# Altium PCB sinking-clock_LED-PCB.PcbDoc (part 1 of 2) (continued)
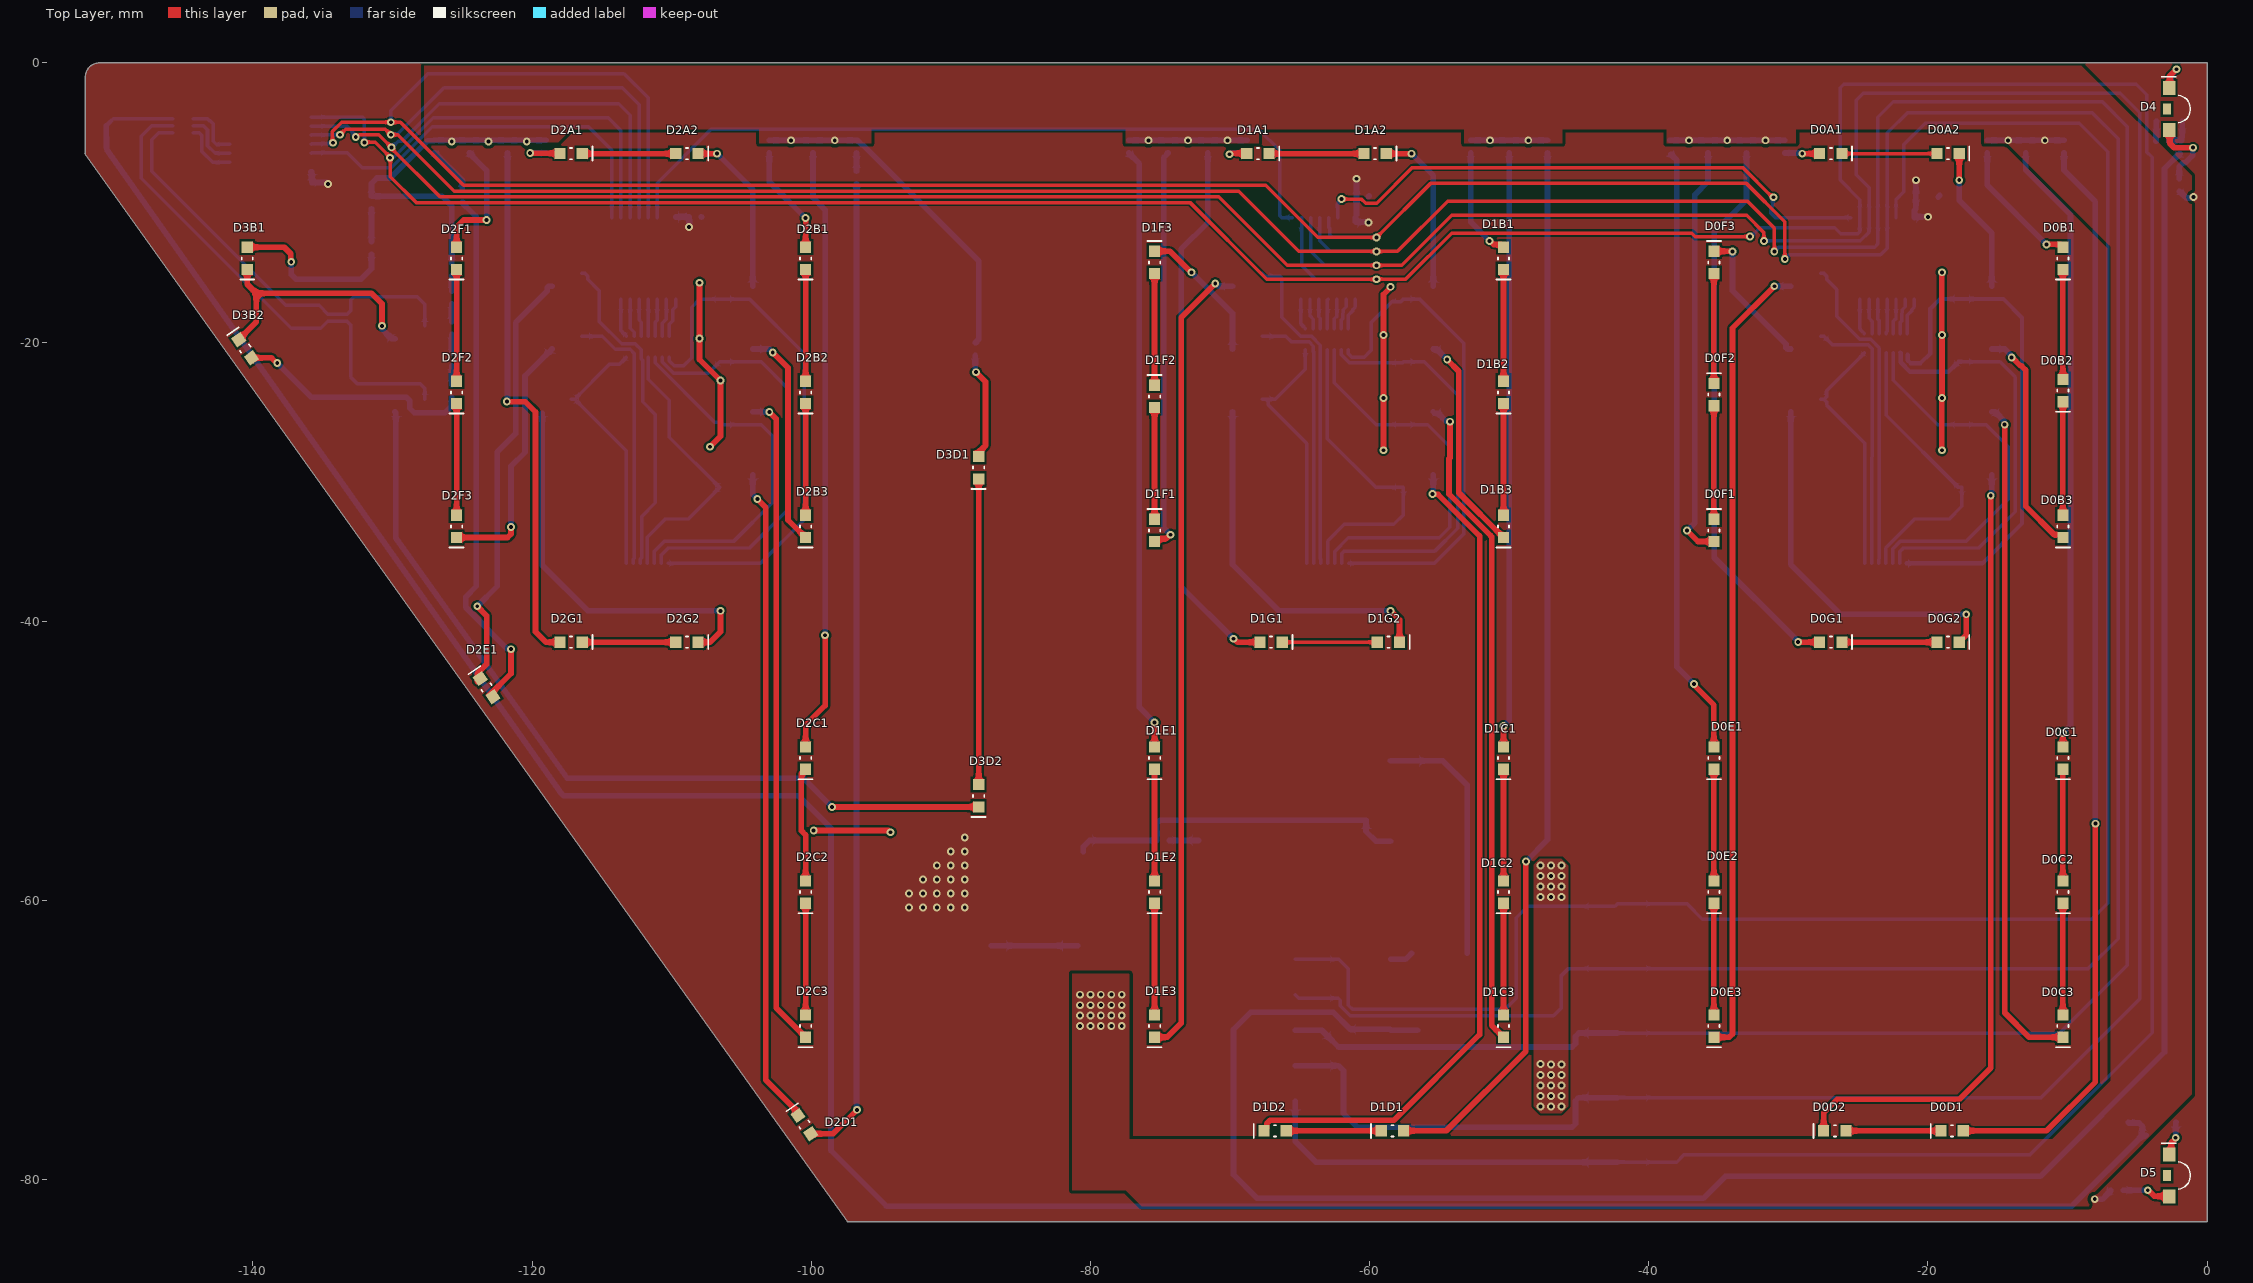
[diagram p0: Top Layer view]
## Components (designator, comment, footprint, x,y, rotation, side; value= is the part's Value field where it differs from the comment) (continued)
D2D1 "LED - single" "LED - 0603" -100.487,-76.06 r125 top
D2E1 "LED - single" "LED - 0603" -123.25,-44.75 r125 top
D2F1 "LED - single" "LED - 0603" -125.4,-14 r270 top
D2F2 "LED - single" "LED - 0603" -125.4,-23.6 r270 top
D2F3 "LED - single" "LED - 0603" -125.4,-33.2 r270 top
D2G1 "LED - single" "LED - 0603" -117.2,-41.5 r0 top
D2G2 "LED - single" "LED - 0603" -108.9,-41.5 r0 top
D3B1 "LED - single" "LED - 0603" -140.4,-14 r270 top
D3B2 "LED - single" "LED - 0603" -140.55,-20.475 r125 top
D3D1 "LED - single" "LED - 0603" -88,-29 r270 top locked
D3D2 "LED - single" "LED - 0603" -88,-52.5 r270 top locked
D4 "LED - single" "LED - 1204 RA" -2.2,-3.3 r270 top
D5 "LED - single" "LED - 1204 RA" -2.2,-79.7 r270 top
D6 "LED - single" "LED - 0603" -71.5,-55.7 r0 bottom
J1 "5x2, 0.1' pitch SMT header" "5x2, 0.1' pitch SMT header" -61.9,-69.3 r270 bottom
Q0A1 "NMOS" SOT-23 -16.5,-16 r0 bottom
Q0B1 "NMOS" SOT-23 -16.5,-20.5 r0 bottom
Q0C1 "NMOS" SOT-23 -16.5,-25 r0 bottom
Q0D1 "NMOS" SOT-23 -16.5,-29.5 r0 bottom
Q0E1 "NMOS" SOT-23 -28.75,-16 r180 bottom
Q0F1 "NMOS" SOT-23 -28.75,-20.5 r180 bottom
Q0G1 "NMOS" SOT-23 -28.75,-25 r180 bottom
Q1A1 "NMOS" SOT-23 -56.5,-16 r0 bottom
Q1B1 "NMOS" SOT-23 -56.5,-20.5 r0 bottom
Q1C1 "NMOS" SOT-23 -56.5,-25 r0 bottom
Q1D1 "NMOS" SOT-23 -56.5,-29.5 r0 bottom
Q1E1 "NMOS" SOT-23 -68.75,-16 r180 bottom
Q1F1 "NMOS" SOT-23 -68.75,-20.5 r180 bottom
Q1G1 "NMOS" SOT-23 -68.75,-25 r180 bottom
Q2A1 "NMOS" SOT-23 -105.25,-16 r0 bottom
Q2B1 "NMOS" SOT-23 -105.25,-20.5 r0 bottom
Q2C1 "NMOS" SOT-23 -105.25,-25 r0 bottom
Q2D1 "NMOS" SOT-23 -105.25,-29.5 r0 bottom
Q2E1 "NMOS" SOT-23 -117.5,-16 r180 bottom
Q2F1 "NMOS" SOT-23 -117.5,-20.5 r180 bottom
Q2G1 "NMOS" SOT-23 -118.25,-25 r180 bottom
Q3B1 "NMOS" SOT-23 -128.75,-19.75 r180 bottom
Q3D1 "NMOS" SOT-23 -128.75,-25 r180 bottom
Q4 "NMOS" SOT-23 -2.7,-3.1 r90 bottom
Q5 "NMOS" SOT-23 -3.3,-75.9 r0 bottom
R0A2 "RES" "0402 RES" -30.25,-6 r90 bottom value=330
R0B2 "RES" "0402 RES" -15.75,-6 r90 bottom value=240
R0C2 "RES" "0402 RES" -13,-6 r90 bottom value=240
R0D2 "RES" "0402 RES" -10.25,-6 r90 bottom value=330
R0E2 "RES" "0402 RES" -38.5,-6 r90 bottom value=240
R0F2 "RES" "0402 RES" -35.75,-6 r90 bottom value=240
R0G2 "RES" "0402 RES" -33,-6 r90 bottom value=330
R1A2 "RES" "0402 RES" -68.75,-6 r90 bottom value=330
R1B2 "RES" "0402 RES" -52.75,-6 r90 bottom value=240
R1C2 "RES" "0402 RES" -50,-6 r90 bottom value=240
R1D2 "RES" "0402 RES" -47.25,-6 r90 bottom value=330
R1E2 "RES" "0402 RES" -77.25,-6 r90 bottom value=240
R1F2 "RES" "0402 RES" -74.417,-6 r90 bottom value=240
R1G2 "RES" "0402 RES" -71.583,-6 r90 bottom value=330
R2A2 "RES" "0402 RES" -119,-6 r90 bottom value=330
R2B2 "RES" "0402 RES" -103,-6 r90 bottom value=240
R2C2 "RES" "0402 RES" -99.875,-6 r90 bottom value=240
R2D1 "RES" "0402 RES" -96.75,-6 r90 bottom value=330
R2D2 "RES" "0402 RES" -96.75,-8.205 r90 bottom value=56
R2E1 "RES" "0402 RES" -127,-6 r90 bottom value=330
R2E2 "RES" "0402 RES" -125,-9.545 r90 bottom value=56
R2F2 "RES" "0402 RES" -124.5,-6 r90 bottom value=240
R2G2 "RES" "0402 RES" -121.75,-6 r90 bottom value=330
R3_EX1 "RES" 0402R -125.75,-14.798 r90 bottom value=330
R3_EX2 "RES" 0402R -125.75,-16.81 r90 bottom value=330
R3_EX3 "RES" 0402R -125.75,-19 r90 bottom value=330
R3_EX4 "RES" 0402R -125.75,-21.25 r90 bottom value=330
R3_EX5 "RES" 0402R -125.75,-23.5 r90 bottom value=330
R3B1 "RES" "0402 RES" -131.5,-10 r90 bottom value=330
R3B2 "RES" "0402 RES" -131.5,-13.25 r90 bottom value=56
R3D2 "RES" "0402 RES" -88.253,-20.5 r90 bottom value=330
R6 "RES" "0402 RES" -2,-8.75 r90 bottom value=56
R7 "RES" "0402 RES" -6.455,-80.76 r0 bottom value=56
R8 "RES" 0402R -74.795,-55.7 r180 bottom value=10k
R9 "RES" 0402R -1.929,-6.054 r90 bottom value=330
R10 "RES" 0402R -3.2,-5.6 r0 bottom value=10k
R12 "RES" 0402R -5.636,-75.445 r270 bottom value=10k
RN0A "8 res Array" EXB2HV331JV -22.727,-20.01 r180 bottom value=330
RN0B "8.2k - all" MNR18ERAPJ822 -23.281,-36.75 r90 bottom
RN1A "8 res Array" EXB2HV331JV -62.77,-19.802 r180 bottom value=330
RN1B "8.2k - all" MNR18ERAPJ822 -63.25,-36.75 r90 bottom
RN2A "8 res Array" EXB2HV331JV -111.42,-20.335 r180 bottom value=330
RN2B "8.2k - all" MNR18ERAPJ822 -112,-36.75 r90 bottom
RN3A "8 res Array" EXB2HV331JV -145,-4.25 r90 bottom value=330
RN3B "8.2k - all" MNR18ERAPJ822 -133,-19.25 r180 bottom
TP1 "RCWCTE" RCWCTE -58.5,-50 r180 bottom
TP2 "RCWCTE" RCWCTE -58.5,-55.75 r180 bottom
TP3 "RCWCTE" RCWCTE -42.25,-60.25 r180 bottom
TP4 "RCWCTE" RCWCTE -42.25,-64.875 r180 bottom
TP5 "RCWCTE" RCWCTE -42.25,-69.5 r180 bottom
TP6 "RCWCTE" RCWCTE -42.25,-74.125 r180 bottom
TP7 "RCWCTE" RCWCTE -42.25,-78.75 r180 bottom
TP8 "RCWCTE" RCWCTE -58.5,-44.5 r180 bottom
TP9 "RCWCTE" RCWCTE -42.25,-55.25 r180 bottom
U0 "74HC595PW,118" 16-TSSOP -23.25,-14 r90 bottom
U1 "74HC595PW,118" 16-TSSOP -63.3,-14 r90 bottom
U2 "74HC595PW,118" 16-TSSOP -112,-14 r90 bottom
U3 "74HC595PW,118" 16-TSSOP -138.75,-5.5 r0 bottom
U4 "AZ1117IH-3.3TRG1" SOT-223-3 -84,-63.25 r180 bottom

## Footprints (in the part's own frame and the unit in brackets; to place one, negate y for a bottom-side part, rotate by r counter-clockwise, add the part's x,y. Pads: shape width x height; smd on the part's side, far side on the other; paste and mask are expansions set on the pad)
"5x2, 0.1' pitch SMT header" [mil] "CONN HEADER SMD 10POS 2.54MM"
  rect 50x200 smd: 1(-200,-135) 2(-200,135) 3(-100,-135) 4(-100,135) 5(0,-135) 6(0,135) 7(100,-135) 8(100,135) 9(200,-135) 10(200,135)
  silkscreen extent -398,-280 390,178, body extent -396,-165 394,180, height 496
16-TSSOP [mil]
  rect 58x14 smd: 1(-115,90) 2(-115,64) 3(-115,38) 4(-115,13) 5(-115,-13) 6(-115,-38) 7(-115,-64) 8(-115,-90) 9(115,-90) 10(115,-64) 11(115,-38) 12(115,-13) 13(115,13) 14(115,38) 15(115,64) 16(115,90)
  silkscreen extent -74,-100 74,100, body extent -126,-98 126,98, height 43
"0402 CAP" [mm] "0402 SMT Capacitor"
  rrect53% 0.54x0.6 smd: 1(-0.43,0) 2(0.43,0)
  silkscreen extent -0.5,-0.48 0.5,0.48, body extent -0.5,-0.25 0.5,0.25, height 0.5
"0402 RES" [mm] "0402 SMT Resistor"
  rrect20% 0.49x0.6 smd: 1(-0.455,0) 2(0.455,0)
  body extent -0.75,-0.25 0.75,0.25, height 0.35
0402R [mm] "0402 SMT Resistor"
  rrect20% 0.49x0.6 smd: 1(-0.455,0) 2(0.455,0)
  body extent -0.75,-0.25 0.75,0.25, height 0.35
CAP_CAN_POLY [mil]
  rect 122x52 smd paste+0 mask+4: 1(-89,0) 2(89,0)
  silkscreen extent -114,-114 114,114, body extent -122,-109 122,109, height 219
DO-214AC [mil]
  rect 74x66 smd paste+0 mask+0: A(87,0) K(-87,0)
  silkscreen extent -135,-63 98,63, body extent -102,-51 102,51, height 96
EXB2HV331JV [mm] "330 Res Array"
  rect 0.425x0.5 smd mask+0.102: 1(-1.837,-0.75) 8(1.837,-0.75) 9(1.837,0.75) 16(-1.837,0.75)
  rect 0.25x0.5 smd mask+0.102: 2(-1.25,-0.75) 3(-0.75,-0.75) 4(-0.25,-0.75) 5(0.25,-0.75) 6(0.75,-0.75) 7(1.25,-0.75) 10(1.25,0.75) 11(0.75,0.75) 12(0.25,0.75) 13(-0.25,0.75) 14(-0.75,0.75) 15(-1.25,0.75)
  silkscreen extent -1.92,-1.25 1.9,0.3, body extent -2.01,-0.97 2.01,0.98, height 0.65
"LED - 0603" [mm]
  rect 0.8x0.8 smd: 1(-0.8,0) 2(0.8,0)
  silkscreen extent -0.08,-0.51 1.52,0.51, body extent -0.8,-0.35 0.8,0.35, height 0.7
"LED - 1204 RA" [mm] "SMD Mono-color Side view Waterclear, body 3.2x1.5mm"
  rect 1x0.9 smd: 1(1.5,-0.52) 2(-1.5,-0.52)
  rect 0.8x0.6 smd: M1(0,-0.67)
  silkscreen extent -2.3,-1.1 0.99,1, body extent -1.6,-0.77 1.6,0.71, height 1
MNR18ERAPJ822 [mm] "Chip Array, Concave, 16-Leads, Pitch 0.50mm,  Body 4.00x1.60mm,  IPC Medium Density"
  rect 0.85x0.25 smd mask+0.06: 1(-0.9,1.75) 2(-0.9,1.25) 3(-0.9,0.75) 4(-0.9,0.25) 5(-0.9,-0.25) 6(-0.9,-0.75) 7(-0.9,-1.25) 8(-0.9,-1.75) 9(0.9,-1.75) 10(0.9,-1.25) 11(0.9,-0.75) 12(0.9,-0.25) 13(0.9,0.25) 14(0.9,0.75) 15(0.9,1.25) 16(0.9,1.75)
  silkscreen extent -1.83,2.24 -1.73,2.34, body extent -0.85,-2 0.85,2, height 0.6
RCWCTE [mm]
  rect 4.2x1.8 smd: 1(0,0)
  body extent -1.6,-0.8 1.6,0.8, height 2.01
SOT-23 [mm]
  rect 1.09x0.61 smd: 1(-1.07,0.915) 2(-1.07,-0.915) 3(1.07,0)
  silkscreen extent -2.35,-1.45 0.65,1.45, body extent -1.2,-1.45 1.2,1.45, height 1.2
SOT-223-3 [mm]
  rect 2.2x1.2 smd: 1(-3.1,2.3) 2(-3.1,0) 3(-3.1,-2.3)
  rect 2.2x3.5 smd: 4(3.1,0)
  silkscreen extent -5.2,-3.25 1.75,3.25, body extent -3.5,-3.25 3.5,3.25, height 1.65

## Part data
C1 C2 C3: library part "CAP - POLARIZED", "Capacitor", MFR="Würth Elektronik", MFR PN=865080642006, ClassName=DirectConnect, Type=SMD
C4A: "Capaicitor", MFR="Samsung Electro-Mechanics", MFR PN=CL05A105KP5NNNC
C4B C4C C4D: "Capaicitor", MFR="Samsung Microelectronics", MFR PN=CL05A105KP5NNNC
D0A1 D0A2 D0B1 D0B2 D0B3 D0C1 D0C2 D0C3 D0D1 D0D2 D0E1 D0E2 D0E3 D0F1 D0F2 D0F3 D0G1 D0G2 D1A1 D1A2 D1B1 D1B2 D1B3 D1C1 D1C2 D1C3 D1D1 D1D2 D1E1 D1E2 D1E3 D1F1 D1F2 D1F3 D1G1 D1G2 D2A1 D2A2 D2B1 D2B2 D2B3 D2C1 D2C2 D2C3 D2D1 D2E1 D2F1 D2F2 D2F3 D2G1 D2G2 D3B1 D3B2 D3D1 D3D2: Color=Red, MFR="Wurth Elektronik", MFR PN=150060RS75000
D1: "DIODE GEN PURP", MFR="Micro Commercial Co", MFR PN=GS1M-LTP, ClassName=DirectConnect, Type=SMD
D4 D5: "LED", Color=Red, MFR="Würth Elektronik", MFR PN=155124RS73200, Notes="Right-Angle Sideways Mount", Type=SMD
D6: Color=Green, MFR=Dialight, MFR PN=5988070107F, ClassName=DirectConnect
J1: "CONN HEADER SMD 10POS 2.54MM", MFR="CNC Tech", MFR PN=3020-10-0300-00, ClassName=DirectConnect
Q0A1 Q0B1 Q0C1 Q0D1 Q0E1 Q0F1 Q0G1 Q1A1 Q1B1 Q1C1 Q1D1 Q1E1 Q1F1 Q1G1 Q2A1 Q2B1 Q2C1 Q2D1 Q2E1 Q2F1 Q2G1 Q3B1 Q3D1 Q4 Q5: "N-Channel MOSFET", MFR="Diodes Incorporated", MFR PN=DMN63D8L-7
R0A2 R0D2 R0G2 R1A2 R1D2 R1G2 R2A2 R2D1 R2E1 R2G2 R3_EX1 R3_EX2 R3_EX3 R3_EX4 R3_EX5 R3B1 R3D2 R9: "Resistor", MFR=YAGEO, MFR PN=RC0402JR-13330RL
R0B2 R0C2 R0E2 R0F2 R1B2 R1C2 R1E2 R1F2 R2B2 R2C2 R2F2: "Resistor", MFR=YAGEO, MFR PN=RC0402FR-07240RL
R2D2 R2E2 R3B2 R6 R7: "Resistor", MFR=YAGEO, MFR PN=RC0402FR-0756RL
R8 R10 R12: "Resistor", MFR=YAGEO, MFR PN=RC0402JR-0710KL
RN0A: MFR="Panasonic Electronic Components", MFR PN=EXB-2HV331JV, ComponentLink1Description="New link", ComponentLink2Description="New link 1"
RN0B RN1B RN2B RN3B: library part MNR18ERAPJ822, "8.2k Ohm ±5% 62.5mW Power Per Element Isolated 8 Resistor Network/Array ±250ppm/°C 1606, Convex, Long Side Terminals", MFR="Rohm Semiconductor", MFR PN=MNR18ERAPJ822
RN1A RN2A RN3A: MFR="Panasonic Microelectronics", MFR PN=EXB-2HV331JV, ComponentLink1Description="New link", ComponentLink2Description="New link 1"
TP1 TP2 TP3 TP4 TP5 TP6 TP7 TP8 TP9: library part "Test Point", MFR="KOA Speer Electronics, Inc.", MFR PN=RCWCTE
U0: "Shift Shift Register 1 Element 8 Bit 16-TSSOP", MFR="Nexperia USA", MFR PN=74HC595PW,118
U1 U2 U3: "Shift Shift Register 1 Element 8 Bit 16-TSSOP", MFR PN=74HC595PW,118
U4: "IC REG LINEAR 3.3V 1A SOT223", MFR="Diodes Incorporated", ClassName=DirectConnect, MFR PN=AZ1117IH-3.3TRG1

## Via types
v1: diameter 0.559, hole 0.279, Top Layer to Bottom Layer, tented both sides, 173 vias

## Nets (pads, with @x,y where several pads share a name; then routed paths per layer and width w, separated by ;. In a path a pad name is that pad's centre, name@x,y a point inside that pad or via, vN(x,y) a via of type N, cw(c..) or ccw(c..) an arc to the next point about the centre after c; other vN are vias at no path point)
+12: C1.1 D1.K J1.1 J1.3 R0A2.2 R0B2.2 R0C2.2 R0D2.2 R0E2.2 R0F2.2 R0G2.2 R1A2.2 R1B2.2 R1C2.2 R1D2.2 R1E2.2 R1F2.2 R1G2.2 R2A2.2 R2B2.2 R2C2.2 R2D1.2 R2E1.2 R2F2.2 R2G2.2 R3_EX1.2 R3B1.2 R3D2.2 TP1.1 U4.3 | length 97.2
  Bottom Layer w0.406: R3_EX1.2@-125.75,-14.343 -125.75,-10.244 -126.449,-9.545 R3B1.2@-131.5,-9.545 -131.5,-8.642 -131.108,-8.25 -130.15,-8.25 -127.487,-5.587 -127.042,-5.587 R2E1.2@-127,-5.545 -125.867,-5.545 -125.791,-5.621 v1(-125.75,-5.621) ; v1@-125.75,-5.545 R2F2.2@-124.5,-5.545 -123.242,-5.545 -123.166,-5.621 v1(-123.125,-5.621) ; v1@-123.125,-5.545 R2G2.2@-121.75,-5.545 -120.492,-5.545 -120.416,-5.621 v1(-120.375,-5.621) ; v1@-120.375,-5.545 R2A2.2@-119,-5.545 ; R2B2.2@-103,-5.545 v1(-101.437,-5.545) R2C2.2@-99.875,-5.545 v1(-98.312,-5.545) R2D1.2@-96.75,-5.545 -96.695,-5.545 -96.386,-5.854 -96.331,-5.854 -88,-14.186 -88,-19.792 -88.156,-19.948 -88.156,-20.003 -88.198,-20.045 R3D2.2@-88.253,-20.045 ; R1E2.2@-77.25,-5.545 v1(-75.833,-5.545) R1F2.2@-74.417,-5.545 v1(-73,-5.545) R1G2.2@-71.583,-5.545 v1(-70.167,-5.545) R1A2.2@-68.75,-5.545 ; TP1.1@-58.5,-50 -54.75,-50 -53,-51.75 -53,-63.788 ; J1.1@-58.471,-64.22 -57.432,-64.22 J1.1@-57,-63.788 ; R1B2.2@-52.75,-5.545 v1(-51.375,-5.545) R1C2.2@-50,-5.545 v1(-48.625,-5.545) R1D2.2@-47.25,-5.545 ; R0E2.2@-38.5,-5.545 v1(-37.125,-5.545) R0F2.2@-35.75,-5.545 v1(-34.375,-5.545) R0G2.2@-33,-5.545 v1(-31.625,-5.545) R0A2.2@-30.25,-5.545 ; R0B2.2@-15.75,-5.545 v1(-14.25,-5.545) R0C2.2@-13,-5.545 v1(-11.625,-5.545) R0D2.2@-10.25,-5.545
  other v1: -80.75,-69 -80,-69 -79.25,-69 -78.5,-69 -77.75,-69 -80.75,-68.25 -80,-68.25 -79.25,-68.25 -78.5,-68.25 -77.75,-68.25 -80.75,-67.5 -80,-67.5 -79.25,-67.5 -78.5,-67.5 -77.75,-67.5 -80.75,-66.75 -80,-66.75 -79.25,-66.75 -78.5,-66.75 -77.75,-66.75
Alarm_LED: J1.5 R9.1 | length 161.2
  Bottom Layer w0.406: J1.5@-56.566,-69.3 J1.5@-58.471,-69.3 -58.546,-69.225 -61.383,-69.225 -62.607,-68 -68.5,-68 -69.75,-69.25 -69.75,-79.639 -68.048,-81.341 -36.091,-81.341 -34.506,-79.756 -11.938,-79.756 -3.048,-70.866 -3.048,-7.573 -1.984,-6.509 R9.1@-1.929,-6.509
AM/PM_LED: Q5.1 R12.2 RN3A.5 | length 206.3
  Bottom Layer w0.254: -150.5,-4.5 -150,-4 RN3A.5@-145.75,-4
  Bottom Layer w0.406: -150.5,-4.5 -150.478,-6.044 -150.476,-6.17 -117.893,-52.356 -117.75,-52.5 -117.581,-52.5 -100.916,-52.5 -98.586,-54.83 -98.586,-77.914 -94.6,-81.9 -9.695,-81.9 -4.61,-76.815 Q5.1@-4.532,-76.815 ; R12.2@-5.636,-75.9 -5.595,-75.942 -4.872,-75.942 -4.634,-76.18 -4.634,-76.713 Q5.1@-4.532,-76.815 ; Q5.1@-4.37,-76.815 Q5.1@-4.532,-76.815
DIG0_SEGA: Q0A1.1 RN0A.2 RN0B.16 | length 37.2
  Bottom Layer w0.305: RN0B.16@-21.531,-35.85 -16.1,-35.85 -13.25,-33 -13.25,-18.25 -14.585,-16.915 Q0A1.1@-17.57,-16.915 -19.127,-16.915 -19.825,-17.613 -19.825,-20.81 -20.523,-21.508 -21.243,-21.508 -21.451,-21.3 -21.451,-20.921 RN0A.2@-21.47,-20.902
DIG0_SEGB: Q0B1.1 RN0A.3 RN0B.15 | length 29.9
  Bottom Layer w0.25: RN0B.15@-22.031,-35.85 -22.031,-35.031 -21.75,-34.75 -16.35,-34.75 -13.75,-32.15 -13.75,-22.5 -14.835,-21.415 Q0B1.1@-17.57,-21.415
  Bottom Layer w0.305: RN0A.3@-21.977,-20.76 -21.95,-20.788 -21.95,-21.448 -21.274,-22.123 -18.518,-22.123 -17.81,-21.415 Q0B1.1@-17.57,-21.415
DIG0_SEGC: Q0C1.1 RN0A.4 RN0B.14 | length 26.7
  Bottom Layer w0.25: RN0B.14@-22.531,-35.85 -22.531,-34.819 -21.962,-34.25 -17.25,-34.25 -14.25,-31.25 -14.25,-27.5 -15.835,-25.915 Q0C1.1@-17.57,-25.915 -19.302,-25.915 -22.477,-22.74 RN0A.4@-22.477,-20.76
DIG0_SEGD: Q0D1.1 RN0A.5 RN0B.13 | length 21.2
  Bottom Layer w0.25: RN0B.13@-23.031,-35.85 -23.031,-34.75 -20.954,-32.673 -18.483,-32.673 -17.57,-31.76 Q0D1.1@-17.57,-30.415 -17.81,-30.415 -22.977,-25.248 RN0A.5@-22.977,-20.76
DIG0_SEGE: Q0E1.1 RN0A.6 RN0B.12 | length 23.1
  Bottom Layer w0.25: Q0E1.1@-27.68,-15.085 -27.44,-15.085 -27.26,-15.265 -27.26,-15.505 -26.533,-16.232 -26.533,-18.146 -24.874,-19.805 -24.096,-19.805 -23.477,-20.423 RN0A.6@-23.477,-20.76 -23.477,-35.496 -23.531,-35.55 RN0B.12@-23.531,-35.85
DIG0_SEGF: Q0F1.1 RN0A.7 RN0B.11 | length 19.5
  Bottom Layer w0.25: Q0F1.1@-27.68,-19.585 -27.44,-19.585 -26.818,-20.207 -24.262,-20.207 -23.977,-20.492 RN0A.7@-23.977,-20.76 -23.977,-28.19 -24.031,-28.245 RN0B.11@-24.031,-35.85
DIG0_SEGG: Q0G1.1 RN0A.8 RN0B.10 | length 17.7
  Bottom Layer w0.25: Q0G1.1@-27.68,-24.085 Q0G1.1@-27.44,-24.085 ; RN0A.8@-24.564,-20.76 -24.564,-20.798 -27.26,-23.494 -27.26,-23.905 Q0G1.1@-27.44,-24.085 ; RN0B.10@-24.531,-35.85 -24.531,-27.234 -27.26,-24.505 -27.26,-24.265 Q0G1.1@-27.44,-24.085
DIG1_SEGA: Q1A1.1 RN1A.2 RN1B.16 | length 35.6
  Bottom Layer w0.25: RN1A.2@-61.52,-20.552 -61.52,-20.82 -61.26,-21.08 -60.38,-21.08 -59.895,-20.595 -59.895,-18.622 -58.368,-17.095 -57.75,-17.095 Q1A1.1@-57.57,-16.915 -56.42,-16.915 -53.25,-20.085 -53.25,-33.75 -55.35,-35.85 RN1B.16@-61.5,-35.85
DIG1_SEGB: Q1B1.1 RN1A.3 RN1B.15 | length 29.2
  Bottom Layer w0.25: RN1A.3@-62.02,-20.552 -62.02,-20.889 -61.414,-21.495 -57.65,-21.495 Q1B1.1@-57.57,-21.415 -56.085,-21.415 -53.683,-23.817 -53.683,-33.333 -55.35,-35 -61.854,-35 -62,-35.146 RN1B.15@-62,-35.85
DIG1_SEGC: Q1C1.1 RN1A.4 RN1B.14 | length 28.1
  Bottom Layer w0.25: RN1A.4@-62.52,-20.552 -62.52,-22.92 -59.525,-25.915 Q1C1.1@-57.57,-25.915 -55.835,-25.915 -54.25,-27.5 -54.25,-33.25 -55.017,-34.017 -61.517,-34.017 -62.5,-35 RN1B.14@-62.5,-35.85
DIG1_SEGD: Q1D1.1 RN1A.5 RN1B.13 | length 23
  Bottom Layer w0.25: RN1A.5@-63.02,-20.552 -63.02,-26.92 -59.525,-30.415 Q1D1.1@-57.57,-30.415 -57.57,-32.355 -58.268,-33.052 -61.802,-33.052 -63,-34.25 RN1B.13@-63,-35.85
DIG1_SEGE: Q1E1.1 RN1A.6 RN1B.12 | length 23.6
  Bottom Layer w0.25: Q1E1.1@-67.68,-15.085 -67.5,-15.265 -66.443,-15.265 -66.297,-15.411 -66.297,-18.217 -64.934,-19.58 -64.156,-19.58 -63.52,-20.215 RN1A.6@-63.52,-20.552 -63.52,-35.53 -63.5,-35.55 RN1B.12@-63.5,-35.85
DIG1_SEGF: Q1F1.1 RN1A.7 RN1B.11 | length 19.5
  Bottom Layer w0.25: Q1F1.1@-67.68,-19.585 -65.99,-19.585 -65.593,-19.982 -64.322,-19.982 -64.02,-20.284 RN1A.7@-64.02,-20.552 -64.02,-20.677 -64,-20.697 RN1B.11@-64,-35.85
DIG1_SEGG: Q1G1.1 RN1A.8 RN1B.10 | length 18.3
  Bottom Layer w0.25: Q1G1.1@-67.68,-24.085 Q1G1.1@-67.44,-24.085 ; RN1A.8@-64.607,-20.552 -64.607,-21.938 -66.754,-24.085 Q1G1.1@-67.44,-24.085 ; RN1B.10@-64.5,-35.85 -64.5,-27.265 -67.26,-24.505 -67.26,-24.265 Q1G1.1@-67.44,-24.085
DIG2_SEGA: Q2A1.1 RN2A.2 RN2B.16 | length 38.8
  Bottom Layer w0.25: RN2B.16@-110.25,-35.85 -103.633,-35.85 -100.5,-32.717 -100.5,-20.835 -104.42,-16.915 Q2A1.1@-106.32,-16.915 -107.994,-16.915 -108.569,-17.49 -108.569,-21.129 -109.145,-21.705 -109.818,-21.705 -110.17,-21.353 RN2A.2@-110.17,-21.085
DIG2_SEGB: Q2B1.1 RN2A.3 RN2B.15 | length 30.4
  Bottom Layer w0.25: RN2B.15@-110.75,-35.85 -110.75,-35.25 -110.25,-34.75 -104.416,-34.75 -101.75,-32.084 -101.75,-23.25 -103.585,-21.415 Q2B1.1@-106.32,-21.415 -106.56,-21.415 -107.37,-22.225 -109.866,-22.225 -110.67,-21.422 RN2A.3@-110.67,-21.085
DIG2_SEGC: Q2C1.1 RN2A.4 RN2B.14 | length 26.5
  Bottom Layer w0.25: RN2B.14@-111.25,-35.85 -111.25,-35 -110.5,-34.25 -105.526,-34.25 -102.75,-31.474 -102.75,-26.75 -103.585,-25.915 Q2C1.1@-106.32,-25.915 -106.5,-25.735 -106.926,-25.735 -111.17,-21.491 RN2A.4@-111.17,-21.085
DIG2_SEGD: Q2D1.1 RN2A.5 RN2B.13 | length 20
  Bottom Layer w0.25: RN2B.13@-111.75,-35.85 -111.75,-33.967 -110.455,-32.673 -108.818,-32.673 -106.56,-30.415 -110.17,-26.805 -110.17,-24.166 -111.67,-22.666 RN2A.5@-111.67,-21.085
DIG2_SEGE: Q2E1.1 RN2A.6 RN2B.12 | length 24.2
  Bottom Layer w0.25: Q2E1.1@-116.43,-15.085 -116.19,-15.085 -116.01,-15.265 -116.01,-15.505 -115.2,-16.315 -115.2,-18.497 -113.584,-20.112 -112.619,-20.112 -112.17,-20.561 RN2A.6@-112.17,-21.21 ; RN2B.12@-112.25,-35.85 -112.25,-35.55 -112.152,-35.452 -112.152,-32.502 -111.17,-31.52 -111.17,-25.189 -112.072,-24.286 -112.072,-21.308 RN2A.6@-112.17,-21.21 ; RN2A.6@-112.17,-21.085 RN2A.6@-112.17,-21.21
DIG2_SEGF: Q2F1.1 RN2A.7 RN2B.11 | length 19.5
  Bottom Layer w0.25: Q2F1.1@-116.43,-19.585 -114.956,-19.585 -114.026,-20.515 -112.972,-20.515 -112.67,-20.817 RN2A.7@-112.67,-21.21 ; RN2B.11@-112.75,-35.85 -112.75,-35.55 -112.67,-35.47 RN2A.7@-112.67,-21.085
DIG2_SEGG: Q2G1.1 RN2A.8 RN2B.10 | length 18.5
  Bottom Layer w0.25: Q2G1.1@-117.18,-24.085 Q2G1.1@-116.94,-24.085 ; RN2A.8@-113.257,-21.085 -113.257,-21.123 -113.704,-21.57 -114.425,-21.57 Q2G1.1@-116.94,-24.085 ; RN2B.10@-113.25,-35.85 -113.25,-27.775 Q2G1.1@-116.94,-24.085
DIG3_SEGB: Q3B1.1 RN3A.3 RN3B.15 | length 30.5
  Bottom Layer w0.25: RN3A.3@-145.75,-5 -146.748,-5 -147.25,-5.502 -147.25,-7.75 -137.632,-17.368 -135.253,-17.368 -134.621,-18 RN3B.15@-133.9,-18 -133.25,-18 -133,-17.75 -133,-17 -132.75,-16.75 -128.228,-16.75 -127.68,-17.298 Q3B1.1@-127.68,-18.835
GND: C1.2 C2.2 C3.2 C4A.1 C4B.1 C4C.1 C4D.2 D6.2 J1.7 J1.9 Q0A1.2 Q0B1.2 Q0C1.2 Q0D1.2 Q0E1.2 Q0F1.2 Q0G1.2 Q1A1.2 Q1B1.2 Q1C1.2 Q1D1.2 Q1E1.2 Q1F1.2 Q1G1.2 Q2A1.2 Q2B1.2 Q2C1.2 Q2D1.2 Q2E1.2 Q2F1.2 Q2G1.2 Q3B1.2 Q3D1.2 Q4.2 Q5.2 R10.1 R12.1 RN0B.1 RN0B.2 RN0B.3 RN0B.4 RN0B.5 RN0B.6 RN0B.7 RN1B.1 RN1B.2 RN1B.3 RN1B.4 RN1B.5 RN1B.6 RN1B.7 RN2B.1 RN2B.2 RN2B.3 RN2B.4 RN2B.5 RN2B.6 RN2B.7 RN3B.2 RN3B.3 TP8.1 TP9.1 U0.8 U1.8 U2.8 U3.8 U4.1 | length 44.6
  Top Layer w0.406: v1(-108,-15.75) v1(-108,-19.75) -108,-21.25 v1(-106.5,-22.75) -106.5,-26.75 v1(-107.25,-27.5) ; v1(-99.822,-54.991) -94.474,-54.991 -94.354,-55.111 v1(-94.313,-55.111) ; v1(-59,-27.75) v1(-59,-24) -59,-16.581 -58.5,-16.081 v1(-58.5,-16.04) ; v1(-19,-27.75) v1(-19,-24) -18.994,-23.994 -18.994,-19.506 v1(-18.988,-19.5) ; v1@-19,-19.5 v1(-19,-15)
  Bottom Layer w0.406: C4C.1@-107.872,-11.026 C4C.1@-107.859,-11.04 ; C4B.1@-60.07,-9.575 C4B.1@-60.024,-9.529 ; -19.25,-9.6 -19.15,-9.5 ; R10.1@-3.655,-5.6 -3.635,-5.58 -3.635,-4.19 Q4.2@-3.615,-4.17
  other v1: -47.75,-74.75 -47,-74.75 -46.25,-74.75 -47.75,-74 -47,-74 -46.25,-74 -47.75,-73.25 -47,-73.25 -46.25,-73.25 -47.75,-72.5 -47,-72.5 -46.25,-72.5 -47,-71.75 -46.25,-71.75 -47.75,-71.713 -47.75,-59.75 -47,-59.75 -46.25,-59.75 -47.75,-59 -47,-59 -46.25,-59 -47.75,-58.25 -47,-58.25 -46.25,-58.25 -47.75,-57.5 -47,-57.5 -46.25,-57.5 -59,-19.5
LED_Colons: Q3D1.1 RN3A.4 RN3B.14 | length 35.5
  Bottom Layer w0.25: -148,-5.25 -147.25,-4.5 RN3A.4@-145.75,-4.5 ; -137.75,-18.5 -137.25,-19 -135.121,-19 -134.621,-18.5 RN3B.14@-133.9,-18.5 -133.25,-18.5 -133,-18.75 -133,-22.5 -132.5,-23 -128,-23 -127.68,-23.32 Q3D1.1@-127.68,-24.085
  Bottom Layer w0.254: -148,-5.25 -148,-8.25 -137.75,-18.5
NetD0A1_1: D0A1.1 R0A2.1 | length 2.5
  Top Layer w0.406: v1(-29,-6.5) D0A1.1@-27.755,-6.5
  Bottom Layer w0.406: R0A2.1@-30.25,-6.455 -29.045,-6.455 v1(-29,-6.5)
NetD0A1_2: D0A1.2 D0A2.1 | length 6.8
  Top Layer w0.25: D0A1.2@-26.155,-6.5 D0A2.1@-19.355,-6.5
NetD0A2_2: D0A2.2 Q0A1.3 | length 10.5
  Top Layer w0.406: v1(-17.755,-8.4) D0A2.2@-17.755,-6.5
  Bottom Layer w0.406: v1(-17.755,-8.4) -17.755,-9.86 -15.43,-12.185 Q0A1.3@-15.43,-16
NetD0B1_1: D0B1.1 R0B2.1 | length 9.6
  Top Layer w0.406: v1(-11.5,-13) -10.765,-13 -10.762,-13.003 -10.527,-13.003 D0B1.1@-10.33,-13.2
  Bottom Layer w0.406: R0B2.1@-15.75,-6.455 -15.75,-8.75 v1(-11.5,-13)
NetD0B1_2: D0B1.2 D0B2.1 | length 7.9
  Top Layer w0.406: D0B2.1@-10.33,-22.67 D0B1.2@-10.33,-14.8
NetD0B2_2: D0B2.2 D0B3.1 | length 8.1
  Top Layer w0.406: D0B3.1@-10.33,-32.4 D0B2.2@-10.33,-24.27
NetD0B3_2: D0B3.2 Q0B1.3 | length 16.5
  Top Layer w0.406: v1(-14,-21.1) -13.959,-21.1 -13.355,-21.704 -13.296,-21.704 -13,-22 -13,-31.75 -10.947,-33.803 -10.527,-33.803 D0B3.2@-10.33,-34
  Bottom Layer w0.406: Q0B1.3@-15.43,-20.5 -14.5,-20.5 -14.029,-20.971 -14.029,-21.071 v1(-14,-21.1)
NetD0C1_1: D0C1.1 R0C2.1 | length 44.1
  Top Layer w0.406: D0C1.1@-10.33,-49 v1(-10.33,-48)
  Bottom Layer w0.406: R0C2.1@-13,-6.455 -13,-7.66 -9.779,-10.881 -9.779,-47.449 v1(-10.33,-48)
NetD0C1_2: D0C1.2 D0C2.1 | length 7.6
  Top Layer w0.406: D0C2.1@-10.33,-58.6 D0C1.2@-10.33,-51
NetD0C2_2: D0C2.2 D0C3.1 | length 8
  Top Layer w0.406: D0C3.1@-10.33,-68.2 D0C2.2@-10.33,-60.2
NetD0C3_2: D0C3.2 Q0C1.3 | length 48.5
  Top Layer w0.406: v1(-14.5,-25.915) -14.5,-68.05 -12.75,-69.8 D0C3.2@-10.33,-69.8
  Bottom Layer w0.406: Q0C1.3@-15.43,-25 -15.19,-25 -14.529,-25.661 -14.529,-25.886 v1(-14.5,-25.915)
NetD0D1_1: D0D1.1 R0D2.1 | length 78.4
  Top Layer w0.406: D0D1.1@-17.469,-76.5 -11.5,-76.5 -8,-73 v1(-8,-54.5)
  Bottom Layer w0.406: R0D2.1@-10.25,-6.455 -10.25,-7.694 -8,-9.944 v1(-8,-54.5)
NetD0D1_2: D0D1.2 D0D2.1 | length 6.8
  Top Layer w0.406: D0D2.1@-25.869,-76.5 D0D1.2@-19.069,-76.5
NetD0D2_2: D0D2.2 Q0D1.3 | length 57.1
  Top Layer w0.406: D0D2.2@-27.469,-76.5 -27.469,-75.219 -26.5,-74.25 -17.75,-74.25 -15.5,-72 v1(-15.5,-31)
  Bottom Layer w0.406: v1(-15.5,-31) -15.43,-30.93 Q0D1.3@-15.43,-29.5
NetD0E1_1: D0E1.1 R0E2.1 | length 43.7
  Top Layer w0.406: v1(-36.75,-44.5) -36.721,-44.529 -36.721,-44.609 -35.33,-46 D0E1.1@-35.33,-49
  Bottom Layer w0.406: R0E2.1@-38.403,-6.552 -38,-6.955 -38,-43.25 v1(-36.75,-44.5)
NetD0E1_2: D0E1.2 D0E2.1 | length 8
  Top Layer w0.406: D0E2.1@-35.33,-58.6 D0E1.2@-35.33,-50.6
NetD0E2_2: D0E2.2 D0E3.1 | length 7.5
  Top Layer w0.406: D0E3.1@-35.33,-68 D0E2.2@-35.33,-60.5
NetD0E3_2: D0E3.2 Q0E1.3 | length 57.4
  Top Layer w0.406: D0E3.2@-35.33,-69.8 -34.238,-69.8 -34,-69.562 -34,-19 v1(-31,-16)
  Bottom Layer w0.406: v1(-31,-16) Q0E1.3@-29.82,-16